# Allegro board meta_module_lay_rev1.brd (continued)
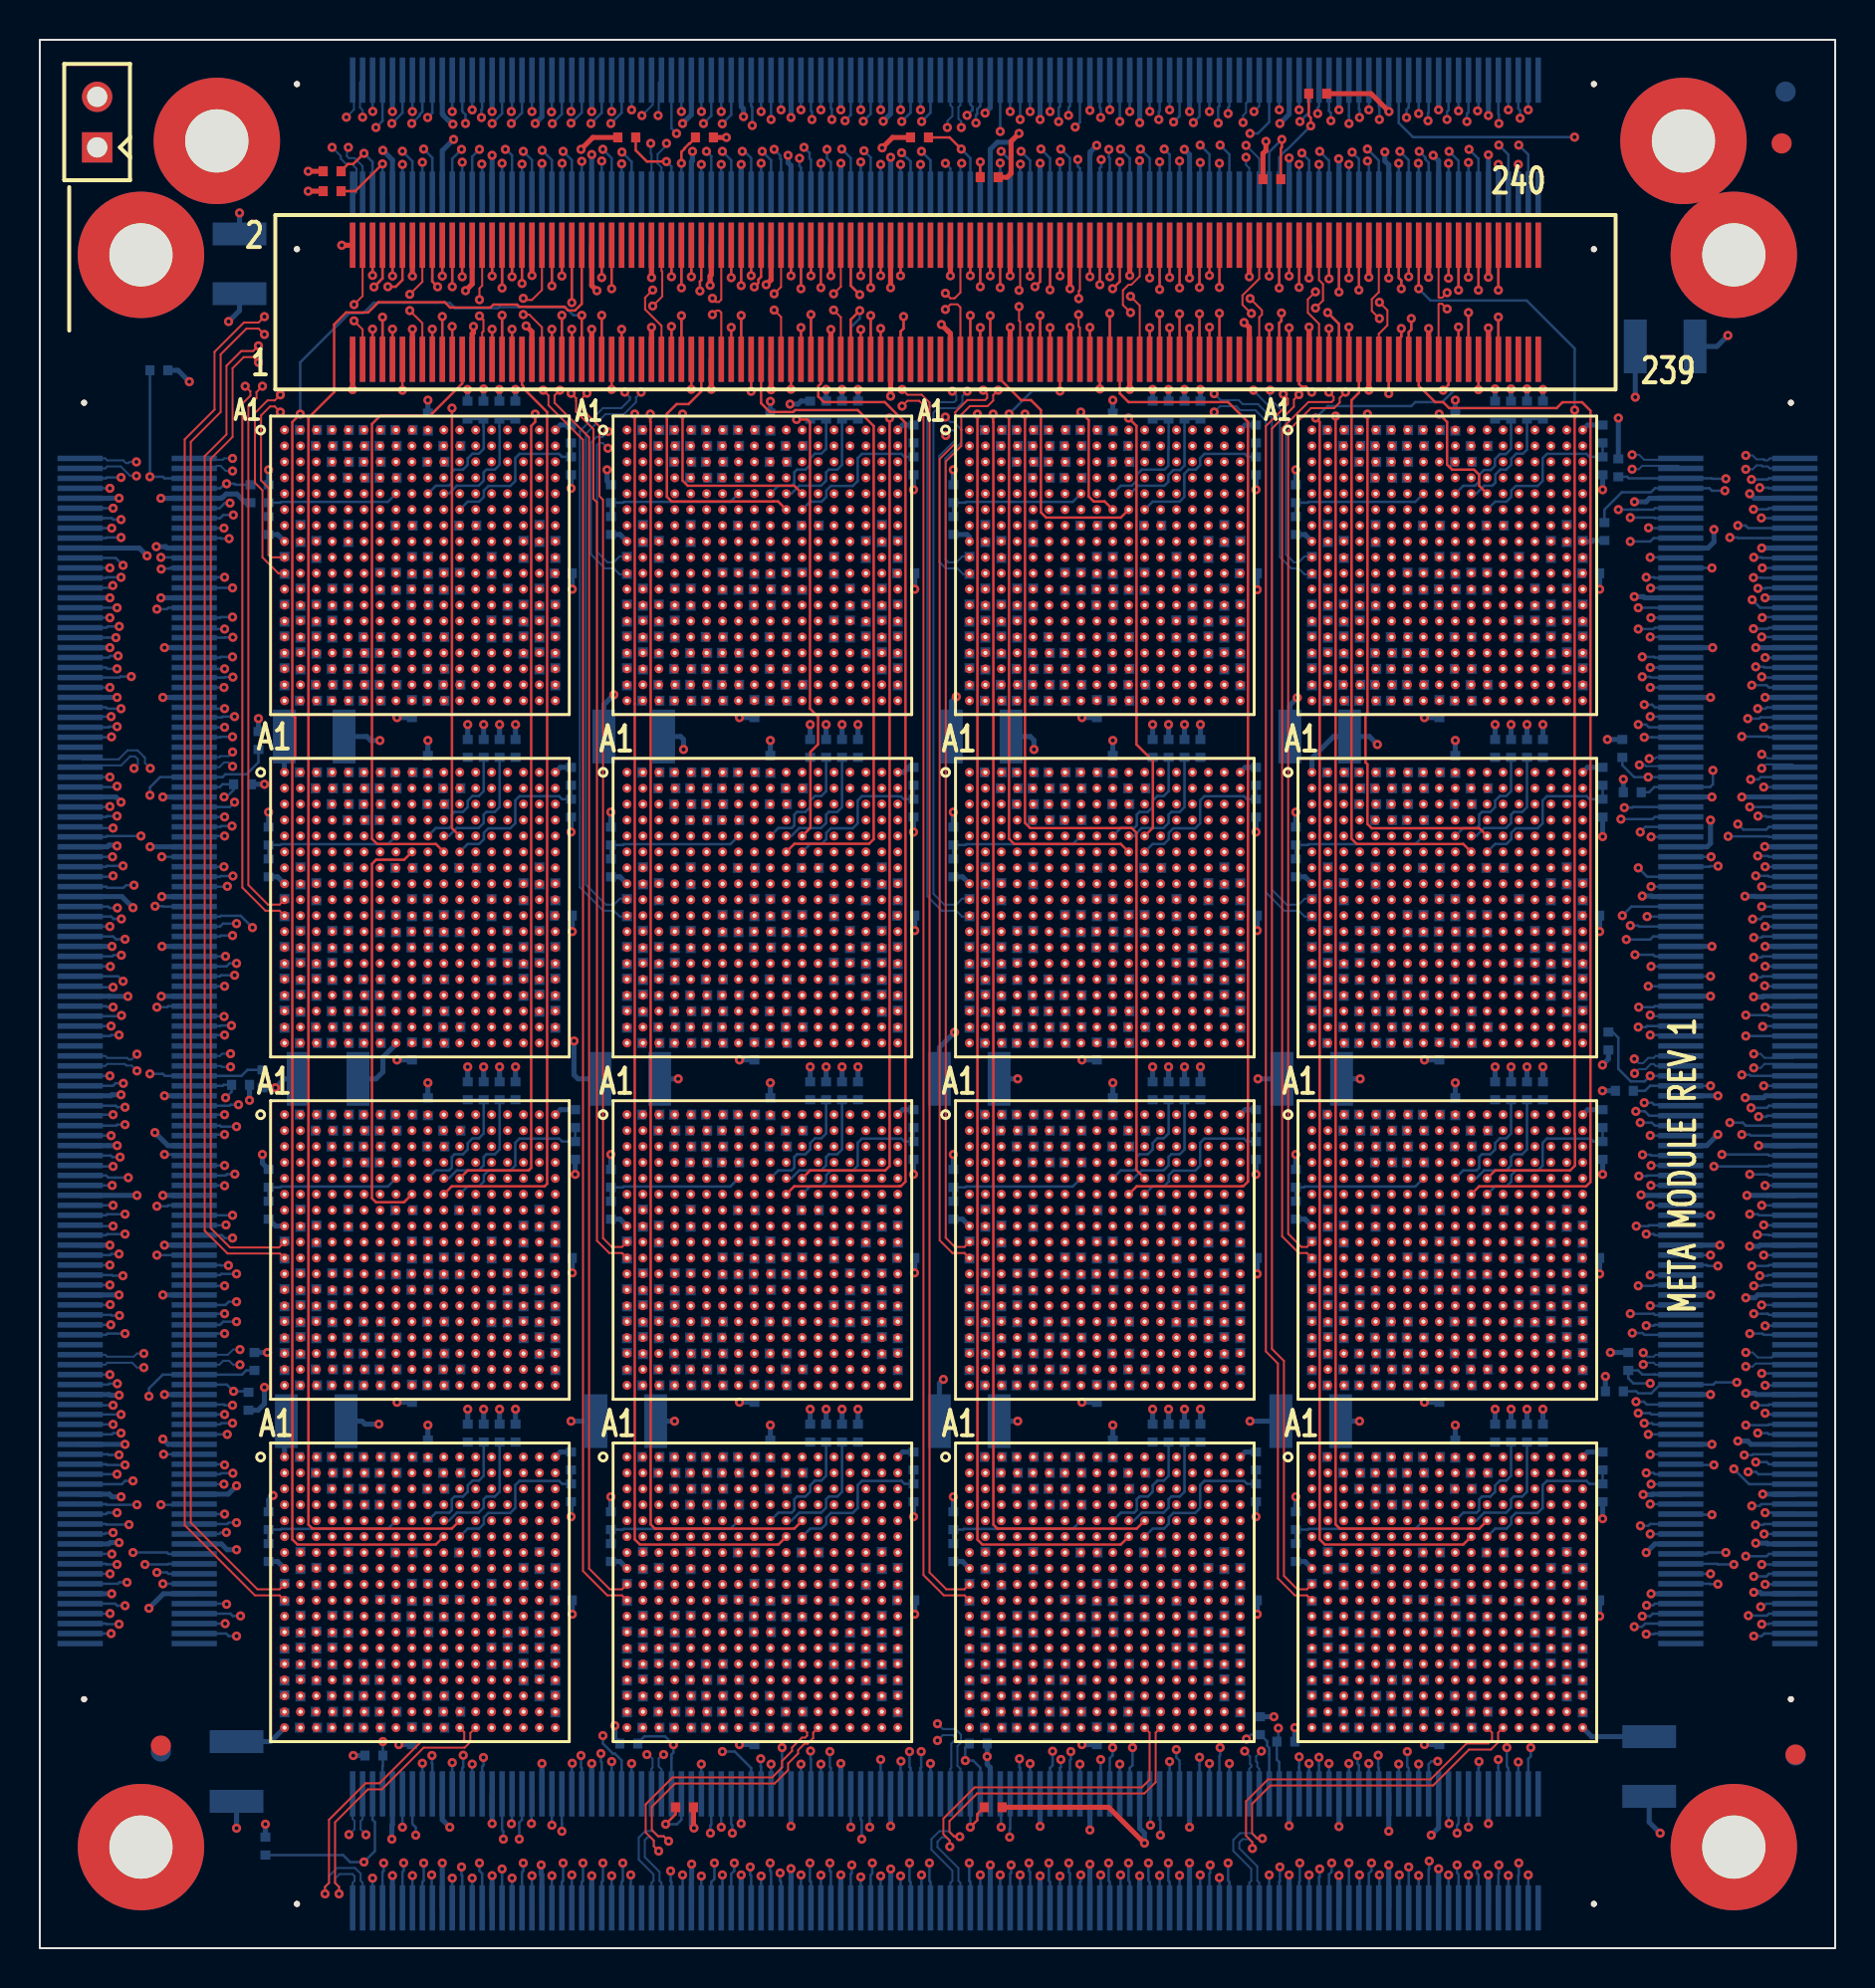
[diagram p0: board, top side]
## Routing (per net, layer and track width the routed paths; a pad name or vN(x,y) marks a point on that pad's centre or on a via; arc(x,y) is an arc through that point) (continued)
WE_FRAME_P1_SNOW4-1: length 7.8
  SIGNAL_L9 w0.083: U4.M17 25.49,50.68 27.08,50.68 28.68,52.28 31.49,52.28 U2.J4
WE_FRAME_P1_SNOW4-2: length 7.8
  SIGNAL_L9 w0.083: U8.M17 59.89,50.68 61.48,50.68 63.08,52.28 65.89,52.28 U6.J4
WE_FRAME_P1_SNOW4-3: length 7.8
  SIGNAL_L9 w0.083: U12.M17 25.49,16.28 27.08,16.28 28.68,17.88 31.49,17.88 U10.J4
WE_FRAME_P1_SNOW4-4: length 7.8
  SIGNAL_L9 w0.083: U16.M17 59.89,16.28 61.48,16.28 63.08,17.88 65.89,17.88 U14.J4
WE_FRAME_P2: length 7.8
  SIGNAL_L9 w0.083: U15.J4 48.69,35.08 45.88,35.08 44.28,33.48 42.69,33.48 U9.M17
WE_FRAME_P3: length 7.8
  SIGNAL_L9 w0.083: U10.M17 42.69,16.28 44.28,16.28 45.88,17.88 48.69,17.88 U16.J4
WE_LCLK_IN_N0: length 12.1
  SIGNAL_L3 w0.081: U3.N1 12.29,66.89 12.66,67.26 12.66,67.63 12.44,67.85 12.11,67.85 10.81,69.15 10.81,74.42 10.52,74.7 10.17,74.7 10.02,74.85 v1(9.68,74.85)
  BOTTOM w0.102: v1(9.68,74.85) 9.25,74.85 9.18,74.78 8.76,74.78 8.69,74.85 J6.1
WE_LCLK_IN_N1: length 14.8
  SIGNAL_L3 w0.081: U4.N1 12.68,49.87 12.68,50.48 12.45,50.71 12.05,50.71 11.61,51.15 11.61,52.22 10.58,53.25 10.58,58.66 10.78,58.86 10.78,59.6 10.47,59.91 10.22,59.91 10.02,60.1 v1(9.68,60.1)
  BOTTOM w0.102: v1(9.68,60.1) 9.47,59.89 9.07,59.89 9.02,59.84 J6.61
WE_LCLK_IN_N2: length 16.9
  SIGNAL_L3 w0.081: v1(9.58,44.94) 9.95,44.94 11.31,43.58 11.31,43.51 11.31,41.11 10.81,40.61 10.81,39.35 11.21,38.95 11.21,34.15 11.87,33.49 12.4,33.49 12.66,33.23 12.66,32.65 U11.N1
  BOTTOM w0.102: J6.121 9.04,44.83 9.15,44.94 v1(9.58,44.94)
WE_LCLK_IN_N3: length 19.9
  SIGNAL_L3 w0.081: U12.N1 12.68,15.47 12.68,16.08 12.5,16.26 11.7,16.26 10.91,17.05 10.91,28.71 11.32,29.12 11.32,29.51 10.93,29.91 10.56,29.91 10.39,30.08 v1(10.05,30.08)
  BOTTOM w0.102: v1(10.05,30.08) 9.71,30.08 9.44,29.82 J6.181
WE_LCLK_IN_P0: length 10.8
  SIGNAL_L3 w0.081: v1(9.68,74.22) 10.02,74.22 10.17,74.37 10.39,74.37 10.48,74.28 10.48,69.01 11.98,67.52 12.3,67.52 12.33,67.49 12.31,67.48 U3.M1
  BOTTOM w0.102: v1(9.68,74.22) 9.34,74.22 9.08,74.48 8.88,74.48 8.75,74.35 J6.3
WE_LCLK_IN_P1: length 13.4
  SIGNAL_L3 w0.081: U4.M1 12.24,50.33 11.83,50.33 11.28,50.88 11.28,52.08 10.44,52.92 10.25,53.11 10.25,58.8 10.45,59 10.45,59.46 10.33,59.58 10.22,59.58 10.02,59.38 v1(9.68,59.38)
  BOTTOM w0.102: v1(9.68,59.38) 9.48,59.58 9.25,59.58 9.02,59.34 J6.63
WE_LCLK_IN_P2: length 15.2
  SIGNAL_L3 w0.081: v1(9.58,44.28) 10.15,44.28 10.98,43.45 10.98,41.25 10.67,40.94 10.48,40.75 10.48,39.21 10.88,38.81 10.88,34.01 11.07,33.82 11.74,33.16 12.21,33.16 U11.M1
  BOTTOM w0.102: v1(9.58,44.28) 9.18,44.28 9.18,44.28 9.15,44.28 9.1,44.33 J6.123
WE_LCLK_IN_P3: length 18.4
  SIGNAL_L3 w0.081: v1(10.05,29.32) 10.39,29.32 10.66,29.58 10.79,29.58 10.99,29.38 10.99,29.26 10.58,28.85 10.58,16.91 11.56,15.93 12.24,15.93 U12.M1
  BOTTOM w0.102: J6.183 9.02,29.32 9.21,29.51 9.51,29.51 9.71,29.32 v1(10.05,29.32)
WE_LCLK_N0: length 6.6
  SIGNAL_L12 w0.081: U7.G1 46.44,71.48 45.68,70.72 45.68,68.78 44.13,67.23 43.34,67.23 U1.M18
WE_LCLK_N0_SNOW4-1: length 6.6
  SIGNAL_L12 w0.081: U3.M18 26.11,67.26 26.16,67.26 26.86,67.26 28.48,68.88 28.48,70.8 29.16,71.48 U1.G1
WE_LCLK_N0_SNOW4-2: length 6.9
  SIGNAL_L12 w0.081: U5.G1 63.41,71.48 62.55,70.62 62.55,68.25 61.53,67.23 60.54,67.23 U7.M18
WE_LCLK_N0_SNOW4-3: length 6.5
  SIGNAL_L12 w0.081: U11.M18 26.14,32.83 26.73,32.83 28.4,34.5 28.4,36.35 29.13,37.08 U9.G1
WE_LCLK_N0_SNOW4-4: length 6.3
  SIGNAL_L12 w0.081: U15.M18 60.99,33.08 62.88,34.96 62.88,36.68 63.27,37.07 63.88,37.07 U13.G1
WE_LCLK_N1: length 6.8
  SIGNAL_L12 w0.081: U2.M18 43.34,50.03 44.28,50.03 45.45,51.2 45.45,53.44 46.29,54.28 U8.G1
WE_LCLK_N1_SNOW4-1: length 6.6
  SIGNAL_L12 w0.081: U4.M18 26.14,50.03 26.73,50.03 28.15,51.45 28.15,53.47 28.91,54.23 29.09,54.23 29.14,54.28 U2.G1
WE_LCLK_N1_SNOW4-2: length 6.5
  SIGNAL_L12 w0.081: U6.G1 63.85,54.24 63.44,54.24 62.95,53.75 62.95,52 61.01,50.06 60.51,50.06 U8.M18
WE_LCLK_N1_SNOW4-3: length 6.5
  SIGNAL_L12 w0.081: U10.G1 29.15,19.88 29.1,19.83 28.91,19.83 28.4,19.32 28.4,17.45 26.59,15.64 26.13,15.64 U12.M18
WE_LCLK_N1_SNOW4-4: length 6.5
  SIGNAL_L12 w0.081: U14.G1 63.58,19.88 62.8,19.1 62.8,17.4 61.03,15.63 60.54,15.63 U16.M18
WE_LCLK_N2: length 6.4
  SIGNAL_L12 w0.081: U9.M18 43.29,32.88 44.01,32.88 45.48,34.35 45.48,36.08 46.48,37.08 U15.G1
WE_LCLK_N3: length 6.6
  SIGNAL_L12 w0.081: U16.G1 46.21,19.88 45.55,19.22 45.55,17.25 43.93,15.63 43.34,15.63 U10.M18
WE_LCLK_OUT_N0: length 14.8
  SIGNAL_L12 w0.081: v1(4.85,74.68) 4.55,74.68 4.38,74.85 4.38,75.26 4.75,75.63 9.71,75.63 10.63,74.71 10.63,72.73 11.63,71.73 12.04,71.73 U3.G1
  BOTTOM w0.102: v1(4.85,74.68) 4.51,74.68 4.45,74.62 4.33,74.62 4.19,74.75 3.39,74.75 3.29,74.85 J6.2
WE_LCLK_OUT_N1: length 15.3
  SIGNAL_L12 w0.081: v1(5.55,59.28) 5.3,59.52 5.3,59.75 5.39,59.83 5.73,59.83 6.89,58.67 7.08,58.48 9.58,58.48 10.79,57.27 10.79,56.79 10.98,56.6 10.98,56.58 11.35,56.21 11.35,54.82 11.67,54.5 12.07,54.5 U4.G1
  BOTTOM w0.102: v1(5.55,59.28) 5.28,59.55 5.28,59.8 5.23,59.86 5.23,59.86 4.91,60.18 4.41,60.18 3.96,59.73 2.13,59.73 J6.62
WE_LCLK_OUT_N2: length 18.6
  SIGNAL_L12 w0.081: v1(4.88,44.92) 4.63,44.66 4.51,44.66 4.41,44.77 4.41,45.21 4.6,45.4 5.18,45.4 7.13,43.45 10.41,43.45 11.55,42.31 11.55,39.62 11.28,39.35 11.28,37.68 11.66,37.3 12.07,37.3 U11.G1
  BOTTOM w0.102: v1(4.88,44.92) 4.61,44.65 4.47,44.65 4.39,44.73 3.39,44.73 3.29,44.83 J6.122
WE_LCLK_OUT_N3: length 21.3
  SIGNAL_L12 w0.081: U12.G1 12.04,20.13 11.68,20.13 11.01,20.8 11.01,27.36 9.55,28.83 9.13,28.83 6.28,28.83 5.92,28.47 4.64,28.47 4.03,29.08 4.03,29.54 4.3,29.81 4.81,29.81 4.88,29.88 v1(5.22,29.88)
  BOTTOM w0.102: J6.182 3.29,29.82 3.39,29.72 4.72,29.72 4.88,29.88 v1(5.22,29.88)
WE_LCLK_OUT_P0: length 16.2
  SIGNAL_L12 w0.081: v1(4.85,73.97) 4.79,73.97 4.05,74.71 4.05,75.39 4.62,75.96 9.85,75.96 10.96,74.85 10.96,72.87 11.77,72.06 12.07,72.06 U3.F1
  BOTTOM w0.102: J6.4 3.29,74.35 3.39,74.45 4.06,74.45 4.53,73.98 4.84,73.98 v1(4.85,73.97)
WE_LCLK_OUT_P1: length 15.3
  SIGNAL_L12 w0.081: v1(4.73,59.28) 4.97,59.52 4.97,59.89 5.25,60.16 5.87,60.16 7.22,58.81 9.75,58.81 11.12,57.44 11.12,57.06 11.12,56.93 11.31,56.74 11.31,56.72 11.68,56.35 11.68,56.07 11.68,54.95 11.8,54.83 12.04,54.83 U4.F1
  BOTTOM w0.102: J6.64 2.11,59.43 4.08,59.43 4.54,59.88 4.78,59.88 4.92,59.74 4.92,59.47 v1(4.73,59.28)
WE_LCLK_OUT_P2: length 19.7
  SIGNAL_L12 w0.081: v1(4.88,44.08) 4.63,44.33 4.38,44.33 4.08,44.63 4.08,45.35 4.46,45.73 5.32,45.73 7.27,43.78 10.55,43.78 11.88,42.45 11.88,39.48 11.61,39.21 11.61,37.82 11.8,37.63 12.04,37.63 U11.F1
  BOTTOM w0.102: v1(4.88,44.08) 4.61,44.35 4.34,44.35 4.26,44.43 3.39,44.43 3.29,44.33 J6.124
WE_LCLK_OUT_P3: length 20.3
  SIGNAL_L12 w0.081: v1(5.22,29.17) 4.88,29.17 4.58,29.48 4.44,29.48 4.36,29.4 4.36,29.22 4.77,28.8 5.79,28.8 6.14,29.16 9.27,29.16 9.68,29.16 11.34,27.5 11.34,20.93 11.82,20.46 12.07,20.46 U12.F1
  BOTTOM w0.102: v1(5.22,29.17) 4.88,29.17 4.64,29.42 3.39,29.42 3.29,29.32 J6.184
WE_LCLK_P0: length 8.1
  SIGNAL_L12 w0.081: U1.N18 43.31,66.9 44.27,66.9 46.01,68.64 46.01,70.59 46.54,71.11 46.84,71.11 47.06,71.33 47.06,71.91 U7.F1
WE_LCLK_P0_SNOW4-1: length 8.1
  SIGNAL_L12 w0.081: U3.N18 26.14,66.93 27,66.93 28.81,68.74 28.81,70.67 29.24,71.1 29.65,71.1 29.87,71.32 29.87,71.9 U1.F1
WE_LCLK_P0_SNOW4-2: length 8.4
  SIGNAL_L12 w0.081: U7.N18 60.51,66.9 61.67,66.9 62.88,68.11 62.88,70.48 63.48,71.08 64.01,71.08 64.26,71.33 64.26,71.63 63.89,72 U5.F1
WE_LCLK_P0_SNOW4-3: length 8.1
  SIGNAL_L12 w0.081: U11.N18 26.11,32.5 26.87,32.5 28.73,34.36 28.73,36.21 29.22,36.7 29.65,36.7 29.87,36.92 29.87,37.24 29.87,37.5 U9.F1
WE_LCLK_P0_SNOW4-4: length 8.2
  SIGNAL_L12 w0.081: U13.F1 64.27,37.5 64.27,36.92 64.04,36.69 63.43,36.69 63.26,36.52 63.26,34.8 61.15,32.7 60.49,32.7 60.41,32.62 60.41,32.4 U15.N18
WE_LCLK_P1: length 8.3
  SIGNAL_L12 w0.081: U2.N18 43.31,49.7 44.42,49.7 45.78,51.06 45.78,53.3 46.39,53.91 46.84,53.91 47.06,54.13 47.06,54.43 46.69,54.8 U8.F1
WE_LCLK_P1_SNOW4-1: length 8.2
  SIGNAL_L12 w0.081: U2.F1 29.87,54.7 29.87,54.12 29.65,53.9 29.05,53.9 28.48,53.33 28.48,51.31 26.87,49.7 26.11,49.7 U4.N18
WE_LCLK_P1_SNOW4-2: length 8
  SIGNAL_L12 w0.081: U8.N18 60.54,49.73 61.15,49.73 63.28,51.86 63.28,53.61 63.58,53.91 64.06,53.91 64.27,54.12 64.27,54.7 U6.F1
WE_LCLK_P1_SNOW4-3: length 8.1
  SIGNAL_L12 w0.081: U12.N18 26.12,15.31 26.73,15.31 28.73,17.31 28.73,19.18 29.05,19.5 29.24,19.5 29.24,19.5 29.65,19.5 29.87,19.72 29.87,20.04 29.87,20.3 U10.F1
WE_LCLK_P1_SNOW4-4: length 8
  SIGNAL_L12 w0.081: U14.F1 64.27,20.3 64.27,20.04 64.27,19.72 64.05,19.5 63.67,19.5 63.13,18.96 63.13,17.26 61.17,15.3 60.51,15.3 U16.N18
WE_LCLK_P2: length 8
  SIGNAL_L12 w0.081: U9.N18 43.29,32.48 44.08,32.48 45.81,34.21 45.81,35.94 46.57,36.7 46.83,36.7 47.06,36.93 47.06,37.23 46.69,37.6 U15.F1
WE_LCLK_P3: length 8.2
  SIGNAL_L12 w0.081: U10.N18 43.31,15.3 44.07,15.3 45.88,17.11 45.88,19.08 46.25,19.45 46.54,19.45 46.79,19.45 47.05,19.7 47.05,19.73 47.06,19.73 47.06,20.03 46.69,20.4 U16.F1
WE_WAIT_RD_IN_N0: length 11.8
  SIGNAL_L10 w0.083: v1(3.61,71.35) 4.35,71.35 4.88,71.88 9.32,71.88 10.09,71.11 12.66,71.11 U3.H2
  BOTTOM w0.127: v1(3.61,71.35) J6.16
WE_WAIT_RD_IN_N1: length 15.5
  SIGNAL_L10 w0.083: v1(3.68,56.28) 3.28,55.88 3.28,53.68 3.45,53.51 3.84,53.51 4.24,53.91 4.44,53.91 4.81,54.28 8.08,54.28 8.68,54.88 10.68,54.88 11.68,53.88 12.69,53.88 U4.H2
  BOTTOM w0.127: J6.76 2.08,56.28 v1(3.68,56.28)
WE_WAIT_RD_IN_N2: length 16.8
  SIGNAL_L10 w0.083: U11.H2 12.69,36.68 10.68,36.68 9.68,37.68 7.48,37.68 6.88,38.28 4.35,38.28 3.93,38.7 3.36,38.7 3.03,39.03 3.03,40.83 3.58,41.38 v1(4.28,41.38)
  BOTTOM w0.127: J6.136 3.83,41.33 3.89,41.38 v1(4.28,41.38)
WE_WAIT_RD_IN_N3: length 16.3
  SIGNAL_L10 w0.083: U12.H2 12.69,19.48 9.41,19.48 5.96,22.93 4.7,22.93 4.37,23.26 3.55,23.26 3.23,23.58 3.23,25.87 v1(3.68,26.32)
  BOTTOM w0.127: v1(3.68,26.32) J6.196
WE_WAIT_RD_IN_P0: length 13.4
  SIGNAL_L10 w0.083: v1(4.08,70.88) 4.48,70.88 5.13,71.53 7.93,71.53 9.18,70.28 13.21,70.28 13.46,70.53 13.46,71.11 U3.G2
  BOTTOM w0.127: J6.18 3.33,70.85 3.36,70.88 v1(4.08,70.88)
WE_WAIT_RD_IN_P1: length 11.7
  SIGNAL_L10 w0.083: U4.G2 12.66,54.71 12.14,54.71 11.77,55.08 8.08,55.08 7.28,55.88 v1(5.08,55.88)
  BOTTOM w0.127: J6.78 3.33,55.84 3.37,55.88 v1(5.08,55.88)
WE_WAIT_RD_IN_P2: length 14.2
  SIGNAL_L10 w0.083: U11.G2 12.66,37.51 10.65,37.51 9.48,38.68 5.68,38.68 5.27,39.09 4.09,39.09 3.91,38.91 3.52,38.91 3.28,39.15 3.28,40.53 v1(3.58,40.83)
  BOTTOM w0.127: v1(3.58,40.83) J6.138
WE_WAIT_RD_IN_P3: length 16
  SIGNAL_L10 w0.083: U12.G2 12.69,20.28 11.48,20.28 11.31,20.45 8.71,20.45 5.31,23.85 4.52,23.85 4.11,23.44 3.73,23.44 3.48,23.69 3.48,25.28 v1(4.08,25.88)
  BOTTOM w0.127: J6.198 3.62,25.82 3.69,25.88 v1(4.08,25.88)
WE_WAIT_RD_N0: length 7.3
  SIGNAL_L10 w0.083: U7.K2 47.49,69.09 47.09,69.49 44.28,69.49 43.48,70.29 42.16,70.29 41.89,70.55 41.89,71.08 U1.G17
WE_WAIT_RD_N0_SNOW4-1: length 7.3
  SIGNAL_L10 w0.083: U1.K2 30.29,69.09 29.89,69.49 27.08,69.49 26.28,70.29 24.96,70.29 24.69,70.55 24.69,71.08 U3.G17
WE_WAIT_RD_N0_SNOW4-2: length 7.3
  SIGNAL_L10 w0.083: U7.G17 59.09,71.08 59.09,70.55 59.36,70.29 60.68,70.29 61.48,69.49 64.29,69.49 64.69,69.09 U5.K2
WE_WAIT_RD_N0_SNOW4-3: length 7.3
  SIGNAL_L10 w0.083: U11.G17 24.69,36.68 24.69,36.15 24.96,35.89 26.28,35.89 27.08,35.09 29.89,35.09 30.29,34.69 U9.K2
WE_WAIT_RD_N0_SNOW4-4: length 7.3
  SIGNAL_L10 w0.083: U15.G17 59.09,36.68 59.09,36.15 59.36,35.89 60.68,35.89 61.48,35.09 64.29,35.09 64.69,34.69 U13.K2
WE_WAIT_RD_N1: length 7.3
  SIGNAL_L10 w0.083: U2.G17 41.89,53.88 41.89,53.35 42.16,53.09 43.48,53.09 44.28,52.29 47.09,52.29 47.49,51.89 U8.K2
WE_WAIT_RD_N1_SNOW4-1: length 7.3
  SIGNAL_L10 w0.083: U2.K2 30.29,51.89 29.89,52.29 27.08,52.29 26.28,53.09 24.96,53.09 24.69,53.35 24.69,53.88 U4.G17
WE_WAIT_RD_N1_SNOW4-2: length 7.3
  SIGNAL_L10 w0.083: U8.G17 59.09,53.88 59.09,53.35 59.36,53.09 60.68,53.09 61.48,52.29 64.29,52.29 64.69,51.89 U6.K2
WE_WAIT_RD_N1_SNOW4-3: length 7.3
  SIGNAL_L10 w0.083: U10.K2 30.29,17.49 29.89,17.89 27.08,17.89 26.28,18.69 24.96,18.69 24.69,18.95 24.69,19.48 U12.G17
WE_WAIT_RD_N1_SNOW4-4: length 7.3
  SIGNAL_L10 w0.083: U14.K2 64.69,17.49 64.29,17.89 61.48,17.89 60.68,18.69 59.36,18.69 59.09,18.95 59.09,19.48 U16.G17
WE_WAIT_RD_N2: length 7.3
  SIGNAL_L10 w0.083: U9.G17 41.89,36.68 41.89,36.15 42.16,35.89 43.48,35.89 44.28,35.09 47.09,35.09 47.49,34.69 U15.K2
WE_WAIT_RD_N3: length 7.3
  SIGNAL_L10 w0.083: U10.G17 41.89,19.48 41.89,18.95 42.16,18.69 43.48,18.69 44.28,17.89 47.09,17.89 47.49,17.49 U16.K2
WE_WAIT_RD_OUT_N0: length 7.9
  SIGNAL_L6 w0.083: v1(9.25,71.35) 11.81,71.35 12.1,71.06 13.25,71.06 13.48,70.83 13.48,69.47 U3.K2
  BOTTOM w0.127: J6.15 v1(9.25,71.35)
WE_WAIT_RD_OUT_N1: length 9.9
  SIGNAL_L6 w0.083: U4.K2 13.48,52.27 13.48,55.28 13.28,55.48 12.97,55.48 12.72,55.73 12.72,55.96 12.41,56.28 11.68,56.28 11.58,56.38 v1(9.65,56.38)
  BOTTOM w0.127: v1(9.65,56.38) 9.12,56.38 9.07,56.34 J6.75
WE_WAIT_RD_OUT_N2: length 12
  SIGNAL_L6 w0.083: U11.K2 13.48,35.07 13.48,40.43 13.23,40.68 10.48,40.68 v1(9.88,41.28)
  BOTTOM w0.127: J6.135 9.05,41.33 9.1,41.28 v1(9.88,41.28)
WE_WAIT_RD_OUT_N3: length 13.1
  SIGNAL_L6 w0.083: U12.K2 13.48,17.87 13.48,23.23 13.23,23.48 12.95,23.48 12.67,23.76 12.67,24.04 12.41,24.3 11.76,24.3 v1(9.68,26.38)
  BOTTOM w0.127: J6.195 9.05,26.32 9.12,26.38 v1(9.68,26.38)
WE_WAIT_RD_OUT_P0: length 5.7
  SIGNAL_L6 w0.083: v1(9.51,70.82) 11.54,70.82 12.1,70.26 12.71,70.26 U3.J2
  BOTTOM w0.127: J6.17 9.09,70.85 9.11,70.82 v1(9.51,70.82)
WE_WAIT_RD_OUT_P1: length 7.9
  SIGNAL_L6 w0.083: v1(9.28,55.88) 11.48,55.88 11.85,55.51 12.4,55.51 12.71,55.2 12.71,53.06 U4.J2
  BOTTOM w0.127: J6.77 7.8,55.88 v1(9.28,55.88)
WE_WAIT_RD_OUT_P2: length 8.8
  SIGNAL_L6 w0.083: U11.J2 12.69,35.88 12.17,35.88 10.68,37.37 10.68,39.48 v1(9.28,40.88)
  BOTTOM w0.127: v1(9.28,40.88) 7.81,40.88 J6.137
WE_WAIT_RD_OUT_P3: length 11.1
  SIGNAL_L6 w0.083: v1(9.42,25.82) 11.78,23.45 12.44,23.45 12.71,23.18 12.71,18.66 U12.J2
  BOTTOM w0.127: v1(9.42,25.82) J6.197
WE_WAIT_RD_P0: length 5.9
  SIGNAL_L10 w0.083: U1.H17 42.69,71.08 43.48,71.08 44.28,70.29 47.08,70.29 U7.J2
WE_WAIT_RD_P0_SNOW4-1: length 5.9
  SIGNAL_L10 w0.083: U3.H17 25.49,71.08 26.28,71.08 27.08,70.29 29.88,70.29 U1.J2
WE_WAIT_RD_P0_SNOW4-2: length 5.9
  SIGNAL_L10 w0.083: U7.H17 59.89,71.08 60.68,71.08 61.48,70.29 64.28,70.29 U5.J2
WE_WAIT_RD_P0_SNOW4-3: length 5.9
  SIGNAL_L10 w0.083: U9.J2 29.88,35.89 27.08,35.89 26.28,36.68 25.49,36.68 U11.H17
WE_WAIT_RD_P0_SNOW4-4: length 5.9
  SIGNAL_L10 w0.083: U15.H17 59.89,36.68 60.68,36.68 61.48,35.89 64.28,35.89 U13.J2
WE_WAIT_RD_P1: length 5.9
  SIGNAL_L10 w0.083: U8.J2 47.08,53.09 44.28,53.09 43.48,53.88 42.69,53.88 U2.H17
WE_WAIT_RD_P1_SNOW4-1: length 5.9
  SIGNAL_L10 w0.083: U2.J2 29.88,53.09 27.08,53.09 26.28,53.88 25.49,53.88 U4.H17
WE_WAIT_RD_P1_SNOW4-2: length 5.9
  SIGNAL_L10 w0.083: U6.J2 64.28,53.09 61.48,53.09 60.68,53.88 59.89,53.88 U8.H17
WE_WAIT_RD_P1_SNOW4-3: length 5.9
  SIGNAL_L10 w0.083: U12.H17 25.49,19.48 26.28,19.48 27.08,18.69 29.88,18.69 U10.J2
WE_WAIT_RD_P1_SNOW4-4: length 5.9
  SIGNAL_L10 w0.083: U14.J2 64.28,18.69 61.48,18.69 60.68,19.48 59.89,19.48 U16.H17
WE_WAIT_RD_P2: length 5.9
  SIGNAL_L10 w0.083: U9.H17 42.69,36.68 43.48,36.68 44.28,35.89 47.08,35.89 U15.J2
WE_WAIT_RD_P3: length 5.9
  SIGNAL_L10 w0.083: U16.J2 47.08,18.69 44.28,18.69 43.48,19.48 42.69,19.48 U10.H17
WE_WAIT_WR_IN_N0: length 16.6
  SIGNAL_L10 w0.083: U3.J3 13.49,69.48 13.49,68.96 13.21,68.68 11.68,68.68 10.73,69.63 8.33,69.63 6.93,71.03 5.43,71.03 4.72,70.32 3.64,70.32 2.98,70.98 2.98,71.65 v1(3.68,72.35)
  BOTTOM w0.127: v1(3.68,72.35) J6.12
WE_WAIT_WR_IN_N1: length 18
  SIGNAL_L10 w0.083: U4.J3 13.49,52.28 11.68,52.28 11.5,52.46 7.9,52.46 6.79,53.57 5.51,53.57 4.98,53.04 3.12,53.04 2.78,53.38 2.78,56.62 v1(3.52,57.36)
  BOTTOM w0.127: v1(3.52,57.36) 3.5,57.36 3.48,57.34 J6.72
WE_WAIT_WR_IN_N2: length 20.3
  SIGNAL_L10 w0.083: U11.J3 13.49,35.08 8.88,35.08 7.48,36.48 5.21,36.48 3.97,37.72 3.24,37.72 2.43,38.53 2.43,41.16 3.52,42.25 v1(4.28,42.25)
  BOTTOM w0.127: v1(4.28,42.25) 3.89,42.25 3.81,42.33 J6.132
WE_WAIT_WR_IN_N3: length 19.7
  SIGNAL_L10 w0.083: U12.J3 13.49,17.88 11.48,17.88 11.08,18.28 8.28,18.28 4.25,22.31 3.65,22.31 2.73,23.23 2.73,26.33 v1(3.68,27.28)
  BOTTOM w0.127: J6.192 2.06,27.28 v1(3.68,27.28)
WE_WAIT_WR_IN_P0: length 16.2
  SIGNAL_L10 w0.083: v1(4.08,71.78) 3.51,71.78 3.24,71.5 3.24,71.07 3.8,70.51 4.51,70.51 5.28,71.28 7.38,71.28 8.73,69.93 11.03,69.93 11.48,69.48 13.21,69.48 13.49,69.76 13.49,70.02 13.89,70.42 U3.H3
  BOTTOM w0.127: v1(4.08,71.78) 3.69,71.78 3.62,71.85 J6.14
WE_WAIT_WR_IN_P1: length 17.8
  SIGNAL_L10 w0.083: U4.H3 13.49,53.08 11.68,53.08 11.48,52.88 8.08,52.88 6.88,54.08 4.88,54.08 4.52,53.72 4.31,53.72 3.91,53.32 3.24,53.32 3.03,53.53 3.03,56.4 3.51,56.88 v1(3.88,56.88)
  BOTTOM w0.127: J6.74 3.34,56.84 3.38,56.88 v1(3.88,56.88)
WE_WAIT_WR_IN_P2: length 18.3
  SIGNAL_L10 w0.083: v1(3.68,41.88) 2.73,40.93 2.73,38.53 3.35,37.91 4.15,37.91 5.23,36.83 7.93,36.83 9.48,35.28 11.28,35.28 11.88,35.88 13.49,35.88 U11.H3
  BOTTOM w0.127: v1(3.68,41.88) 2.08,41.88 J6.134
WE_WAIT_WR_IN_P3: length 19.2
  SIGNAL_L10 w0.083: v1(4.08,26.82) 3.62,26.82 2.98,26.18 2.98,23.53 3.43,23.08 4.28,23.08 4.68,22.68 5.15,22.68 9.15,18.68 13.49,18.68 U12.H3
  BOTTOM w0.127: v1(4.08,26.82) J6.194
WE_WAIT_WR_N0: length 11.9
  SIGNAL_L10 w0.083: U7.L3 48.69,68.68 48.69,70.8 48.41,71.08 44.29,71.08 43.48,71.89 41.37,71.89 41.12,71.63 41.12,71.05 U1.H16
WE_WAIT_WR_N0_SNOW4-1: length 11.9
  SIGNAL_L10 w0.083: U1.L3 31.49,68.68 31.49,70.8 31.21,71.08 27.09,71.08 26.28,71.89 24.17,71.89 23.92,71.63 23.92,71.05 U3.H16
WE_WAIT_WR_N0_SNOW4-2: length 11.9
  SIGNAL_L10 w0.083: U5.L3 65.89,68.68 65.89,70.8 65.61,71.08 61.49,71.08 60.68,71.89 58.57,71.89 58.32,71.63 58.32,71.05 U7.H16
WE_WAIT_WR_N0_SNOW4-3: length 11.9
  SIGNAL_L10 w0.083: U11.H16 23.92,36.65 23.92,37.23 24.17,37.49 26.28,37.49 27.09,36.68 31.21,36.68 31.49,36.4 31.49,34.28 U9.L3
WE_WAIT_WR_N0_SNOW4-4: length 11.9
  SIGNAL_L10 w0.083: U13.L3 65.89,34.28 65.89,36.4 65.61,36.68 61.49,36.68 60.68,37.49 58.57,37.49 58.32,37.23 58.32,36.65 U15.H16
WE_WAIT_WR_N1: length 11.9
  SIGNAL_L10 w0.083: U2.H16 41.12,53.85 41.12,54.43 41.37,54.69 43.48,54.69 44.29,53.88 48.41,53.88 48.69,53.6 48.69,51.48 U8.L3
WE_WAIT_WR_N1_SNOW4-1: length 11.9
  SIGNAL_L10 w0.083: U2.L3 31.49,51.48 31.49,53.6 31.21,53.88 27.09,53.88 26.28,54.69 24.17,54.69 23.92,54.43 23.92,53.85 U4.H16
WE_WAIT_WR_N1_SNOW4-2: length 11.9
  SIGNAL_L10 w0.083: U8.H16 58.32,53.85 58.32,54.43 58.57,54.69 60.68,54.69 61.49,53.88 65.61,53.88 65.89,53.6 65.89,51.48 U6.L3
WE_WAIT_WR_N1_SNOW4-3: length 11.9
  SIGNAL_L10 w0.083: U10.L3 31.49,17.08 31.49,19.2 31.21,19.48 27.09,19.48 26.28,20.29 24.17,20.29 23.92,20.03 23.92,19.45 U12.H16
WE_WAIT_WR_N1_SNOW4-4: length 11.9
  SIGNAL_L10 w0.083: U16.H16 58.32,19.45 58.32,20.03 58.57,20.29 60.68,20.29 61.49,19.48 65.61,19.48 65.89,19.2 65.89,17.08 U14.L3
WE_WAIT_WR_N2: length 11.9
  SIGNAL_L10 w0.083: U9.H16 41.12,36.65 41.12,37.23 41.37,37.49 43.48,37.49 44.29,36.68 48.41,36.68 48.69,36.4 48.69,34.28 U15.L3
WE_WAIT_WR_N3: length 11.9
  SIGNAL_L10 w0.083: U16.L3 48.69,17.08 48.69,19.2 48.41,19.48 44.29,19.48 43.48,20.29 41.37,20.29 41.12,20.03 41.12,19.45 U10.H16
WE_WAIT_WR_OUT_N0: length 9.4
  SIGNAL_L12 w0.083: U3.L3 14.26,68.65 14.26,69.23 13.98,69.51 13.74,69.51 13.46,69.79 13.46,70.03 13.24,70.25 11.99,70.25 10.3,71.94 10.3,72.23 9.92,72.61 v1(9.55,72.61)
  BOTTOM w0.127: J6.11 9.03,72.35 9.29,72.61 9.41,72.61 9.42,72.62 9.54,72.62 v1(9.55,72.61)
WE_WAIT_WR_OUT_N1: length 11.4
  SIGNAL_L12 w0.083: U4.L3 14.26,51.45 14.26,52.03 13.98,52.31 13.74,52.31 13.46,52.59 13.46,52.83 13.24,53.05 12.11,53.05 10.82,54.34 10.82,56.11 9.78,57.15 v1(9.78,57.58)
  BOTTOM w0.127: J6.71 9.54,57.34 v1(9.78,57.58)
WE_WAIT_WR_OUT_N2: length 13.9
  SIGNAL_L12 w0.083: U11.L3 14.26,34.25 14.26,34.83 13.98,35.11 13.74,35.11 13.46,35.39 13.46,35.63 13.24,35.85 11.38,35.85 10.76,36.46 10.76,41.6 v1(9.98,42.38)
  BOTTOM w0.127: J6.131 9.53,42.33 9.58,42.38 v1(9.98,42.38)
WE_WAIT_WR_OUT_N3: length 15.6
  SIGNAL_L12 w0.083: U12.L3 14.26,17.05 14.26,17.63 13.98,17.91 13.74,17.91 13.46,18.19 13.46,18.43 13.24,18.65 12.11,18.65 10.8,19.96 10.8,26.53 10.05,27.28 v1(9.68,27.28)
  BOTTOM w0.127: J6.191 9.25,27.32 9.29,27.28 v1(9.68,27.28)
WE_WAIT_WR_OUT_P0: length 7.5
  SIGNAL_L12 w0.083: v1(9.72,72.01) 11.92,69.8 11.92,69.73 12.14,69.51 12.21,69.51 12.22,69.51 13.27,69.51 13.7,69.08 U3.K3
  BOTTOM w0.127: v1(9.72,72.01) 9.22,72.01 9.13,71.92 9.13,71.92 9.05,71.85 J6.13
WE_WAIT_WR_OUT_P1: length 9.5
  SIGNAL_L12 w0.083: v1(9.28,56.84) 9.72,56.84 10.63,55.93 10.63,53.73 12.05,52.31 13.27,52.31 13.7,51.88 U4.K3
  BOTTOM w0.127: J6.73 v1(9.28,56.84)
WE_WAIT_WR_OUT_P2: length 12
  SIGNAL_L12 w0.083: v1(9.28,41.88) 9.88,41.88 10.58,41.18 10.58,36.38 11.85,35.11 13.46,35.11 U11.K3
  BOTTOM w0.127: v1(9.28,41.88) 7.81,41.88 J6.133
WE_WAIT_WR_OUT_P3: length 14
  SIGNAL_L12 w0.083: U12.K3 13.7,17.48 13.27,17.91 12.05,17.91 10.62,19.34 10.62,26.19 9.99,26.82 v1(9.28,26.82)
  BOTTOM w0.127: v1(9.28,26.82) J6.193
WE_WAIT_WR_P0: length 19.2
  SIGNAL_L10 w0.083: U7.K3 47.89,68.68 47.89,68.16 48.16,67.89 49.21,67.89 49.49,68.16 49.49,71.6 49.21,71.88 46.26,71.88 45.85,72.28 43.88,72.28 43.48,72.69 41.37,72.69 41.12,72.43 41.12,72.19 40.82,71.89 40.5,71.89 40.29,71.68 40.29,70.55 40.6,70.25 41.12,70.25 U1.J16
WE_WAIT_WR_P0_SNOW4-1: length 19.2
  SIGNAL_L10 w0.083: U1.K3 30.69,68.68 30.69,68.16 30.96,67.89 32.09,67.89 32.29,68.09 32.29,71.6 32.01,71.88 29.06,71.88 28.65,72.28 26.68,72.28 26.28,72.69 24.17,72.69 23.92,72.43 23.92,72.19 23.62,71.89 23.3,71.89 23.09,71.68 23.09,70.55 23.4,70.25 23.92,70.25 U3.J16
WE_WAIT_WR_P0_SNOW4-2: length 19.2
  SIGNAL_L10 w0.083: U5.K3 65.09,68.68 65.09,68.16 65.36,67.89 66.49,67.89 66.69,68.09 66.69,71.6 66.41,71.88 63.46,71.88 63.05,72.28 61.08,72.28 60.68,72.69 58.57,72.69 58.32,72.43 58.32,72.19 58.02,71.89 57.7,71.89 57.49,71.68 57.49,70.55 57.8,70.25 58.32,70.25 U7.J16
WE_WAIT_WR_P0_SNOW4-3: length 19.2
  SIGNAL_L10 w0.083: U9.K3 30.69,34.28 30.69,33.76 30.96,33.49 32.09,33.49 32.29,33.69 32.29,37.2 32.01,37.48 29.06,37.48 28.66,37.88 26.69,37.88 26.28,38.29 24.17,38.29 23.92,38.03 23.92,37.79 23.62,37.49 23.3,37.49 23.09,37.28 23.09,36.15 23.4,35.85 23.92,35.85 U11.J16
WE_WAIT_WR_P0_SNOW4-4: length 19.2
  SIGNAL_L10 w0.083: U13.K3 65.09,34.28 65.09,33.76 65.36,33.49 66.49,33.49 66.69,33.69 66.69,37.2 66.41,37.48 63.46,37.48 63.05,37.88 61.08,37.88 60.68,38.29 58.57,38.29 58.32,38.03 58.32,37.79 58.02,37.49 57.7,37.49 57.49,37.28 57.49,36.15 57.8,35.85 58.32,35.85 U15.J16
WE_WAIT_WR_P1: length 19.2
  SIGNAL_L10 w0.083: U2.J16 41.12,53.05 40.6,53.05 40.29,53.35 40.29,54.48 40.5,54.69 40.82,54.69 41.12,54.99 41.12,55.23 41.37,55.49 43.48,55.49 43.88,55.08 45.85,55.08 46.26,54.68 49.21,54.68 49.49,54.4 49.49,50.89 49.29,50.69 48.16,50.69 47.89,50.96 47.89,51.48 U8.K3
WE_WAIT_WR_P1_SNOW4-1: length 19.2
  SIGNAL_L10 w0.083: U2.K3 30.69,51.48 30.69,50.96 30.96,50.69 32.09,50.69 32.29,50.89 32.29,54.4 32.01,54.68 29.06,54.68 28.65,55.08 26.68,55.08 26.28,55.49 24.17,55.49 23.92,55.23 23.92,54.99 23.62,54.69 23.3,54.69 23.09,54.48 23.09,53.35 23.4,53.05 23.92,53.05 U4.J16
WE_WAIT_WR_P1_SNOW4-2: length 19.2
  SIGNAL_L10 w0.083: U6.K3 65.09,51.48 65.09,50.96 65.36,50.69 66.49,50.69 66.69,50.89 66.69,54.4 66.41,54.68 63.46,54.68 63.05,55.08 61.08,55.08 60.68,55.49 58.57,55.49 58.32,55.23 58.32,54.99 58.02,54.69 57.7,54.69 57.49,54.48 57.49,53.35 57.8,53.05 58.32,53.05 U8.J16
WE_WAIT_WR_P1_SNOW4-3: length 19.2
  SIGNAL_L10 w0.083: U12.J16 23.92,18.65 23.4,18.65 23.09,18.95 23.09,20.08 23.3,20.29 23.62,20.29 23.92,20.59 23.92,20.83 24.17,21.09 26.28,21.09 26.68,20.68 28.65,20.68 29.06,20.28 32.01,20.28 32.29,20 32.29,16.49 32.09,16.29 30.96,16.29 30.69,16.56 30.69,17.08 U10.K3
WE_WAIT_WR_P1_SNOW4-4: length 19.2
  SIGNAL_L10 w0.083: U14.K3 65.09,17.08 65.09,16.56 65.36,16.29 66.41,16.29 66.69,16.56 66.69,20 66.41,20.28 63.46,20.28 63.05,20.68 61.08,20.68 60.68,21.09 58.57,21.09 58.32,20.83 58.32,20.59 58.02,20.29 57.7,20.29 57.49,20.08 57.49,18.95 57.8,18.65 58.32,18.65 U16.J16
WE_WAIT_WR_P2: length 19.2
  SIGNAL_L10 w0.083: U15.K3 47.89,34.28 47.89,33.76 48.16,33.49 49.21,33.49 49.49,33.76 49.49,37.2 49.21,37.48 46.26,37.48 45.85,37.88 43.88,37.88 43.48,38.29 41.37,38.29 41.12,38.03 41.12,37.79 40.82,37.49 40.5,37.49 40.29,37.28 40.29,36.15 40.6,35.85 41.12,35.85 U9.J16
WE_WAIT_WR_P3: length 19.2
  SIGNAL_L10 w0.083: U16.K3 47.89,17.08 47.89,16.56 48.16,16.29 49.29,16.29 49.49,16.49 49.49,20 49.21,20.28 46.26,20.28 45.85,20.68 43.88,20.68 43.48,21.09 41.37,21.09 41.12,20.83 41.12,20.59 40.82,20.29 40.5,20.29 40.29,20.08 40.29,18.95 40.6,18.65 41.12,18.65 U10.J16

## Copper pours and planes (outline as drawn; the poured copper is in the pictures)
GND on GND_L2, GND_L4, GND_L11, GND_L13: 0.89,0.89 0.89,95 89.28,95 89.28,0.89
